# Altium PCB TwoFoot_PCB_m4T1Top2.PcbDoc (part 8 of 9) (continued)
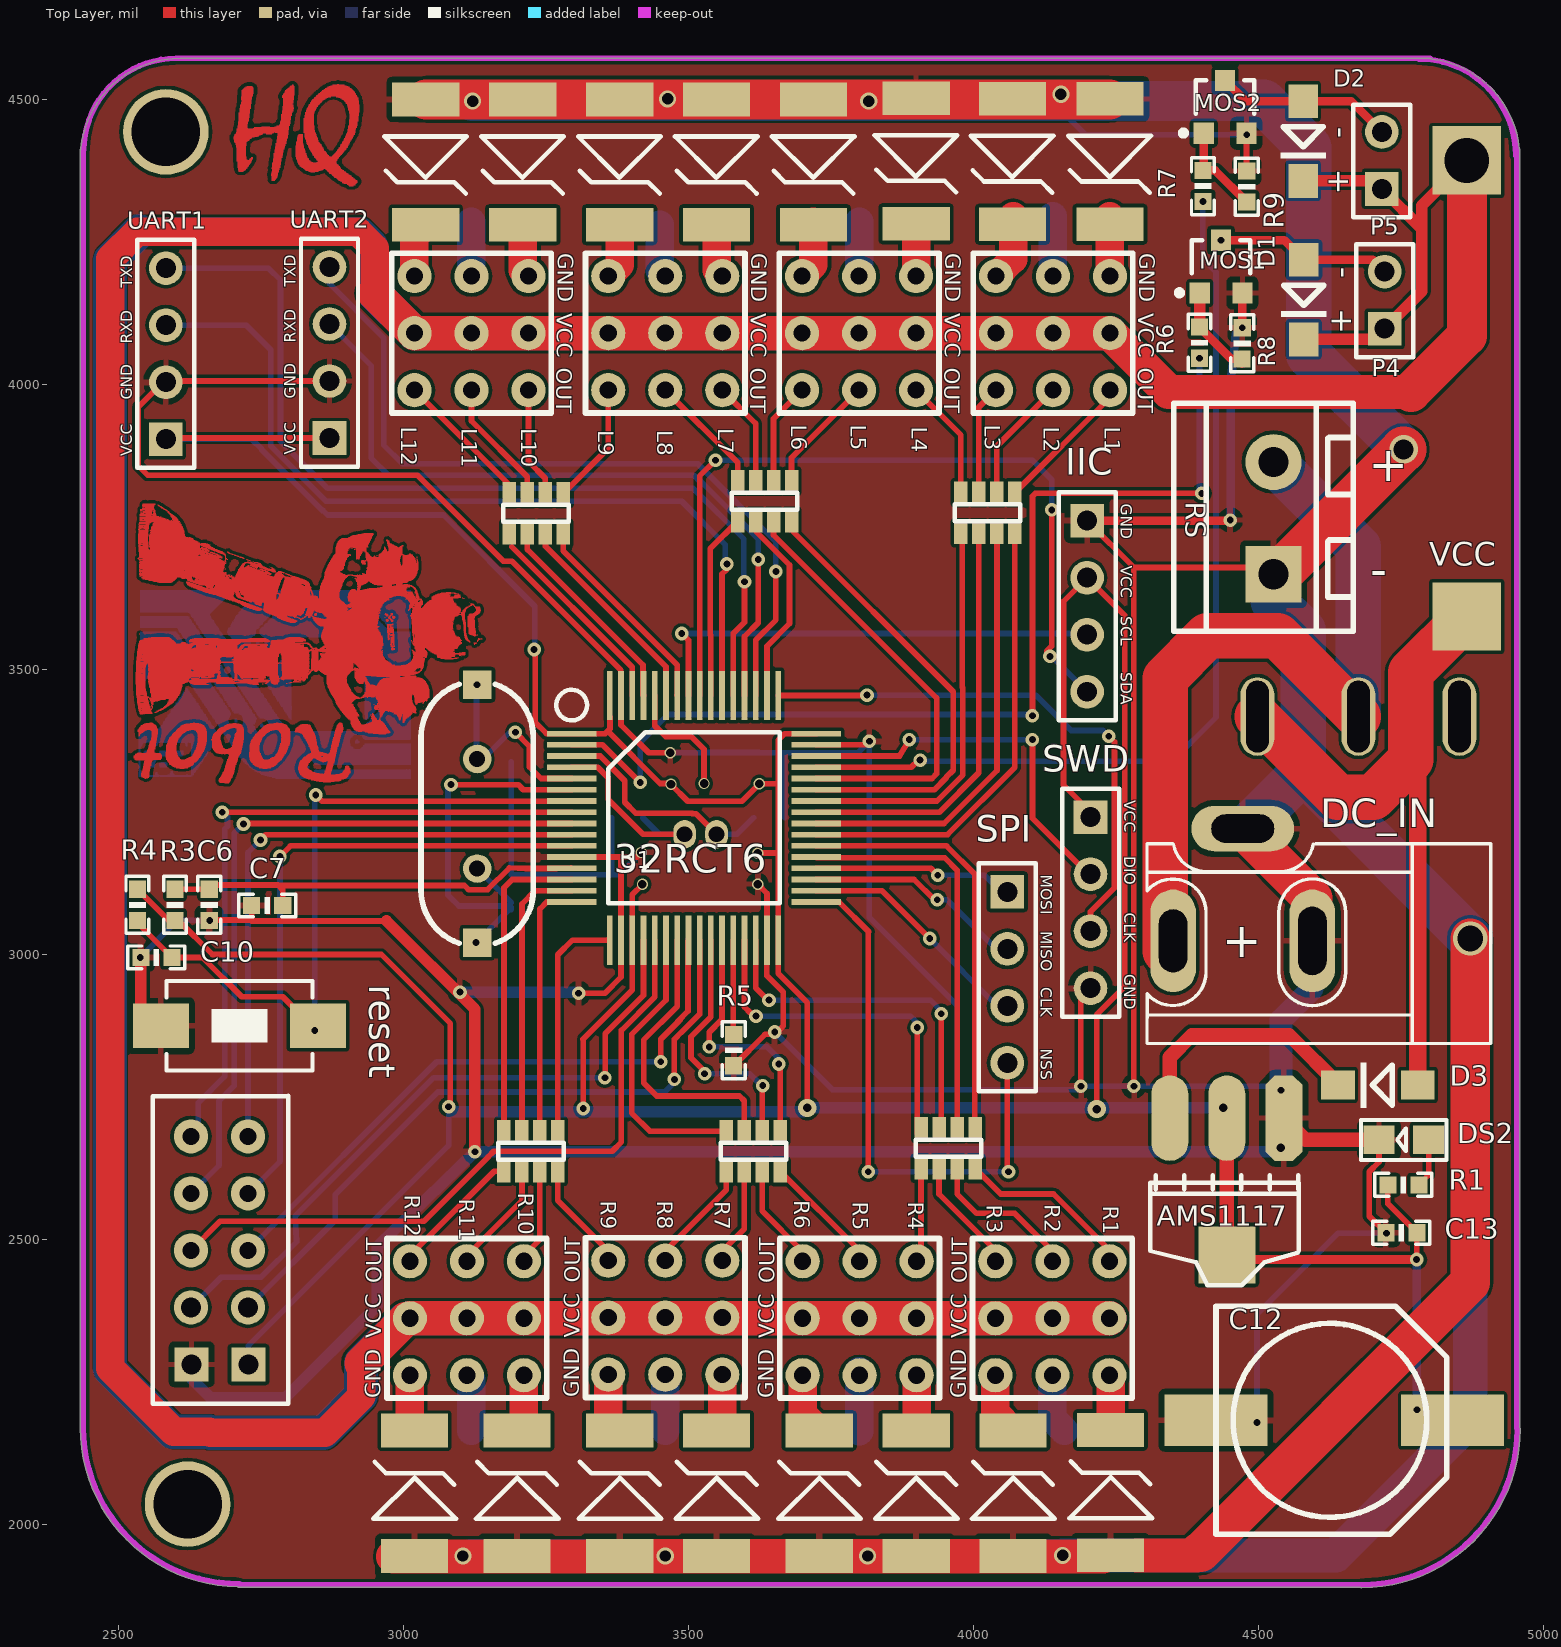
[diagram p0: Top Layer view]
## Nets (pads, with @x,y where several pads share a name; then routed paths per layer and width w, separated by ;. In a path a pad name is that pad's centre, name@x,y a point inside that pad or via, vN(x,y) a via of type N, cw(c..) or ccw(c..) an arc to the next point about the centre after c; other vN are vias at no path point) (continued)
2678.6,3567.4 ; 2647.6,3444.4 2683.6,3444.4 ; 2647.6,3506.4 2682.6,3506.4 ; 2647.6,3507.4 2681.6,3507.4 ; 2647.6,3565.4 2680.6,3565.4 ; 2647.6,3566.4 2680.6,3566.4 ; 2648.6,3441.4 2686.6,3441.4 ; 2648.6,3442.4 2684.6,3442.4 ; 2648.6,3443.4 2684.6,3443.4 ; 2648.6,3505.4 2682.6,3505.4 ; 2648.6,3563.4 2681.6,3563.4 ; 2648.6,3564.4 2681.6,3564.4 ; 2650.6,3440.4 2687.6,3440.4 ; 2650.6,3503.4 2683.6,3503.4 ; 2650.6,3504.4 2682.6,3504.4 ; 2650.6,3561.4 2683.6,3561.4 ; 2650.6,3562.4 2682.6,3562.4 ; 2651.6,3438.4 2687.6,3438.4 ; 2651.6,3439.4 2687.6,3439.4 ; 2651.6,3501.4 2684.6,3501.4 ; 2651.6,3502.4 2684.6,3502.4 ; 2651.6,3560.4 2683.6,3560.4 ; 2652.6,3437.4 2688.6,3437.4 ; 2652.6,3500.4 2686.6,3500.4 ; 2652.6,3558.4 2684.6,3558.4 ; 2652.6,3559.4 2684.6,3559.4 ; 2653.6,3434.4 2690.6,3434.4 ; 2653.6,3435.4 2690.6,3435.4 ; 2653.6,3436.4 2689.6,3436.4 ; 2653.6,3498.4 2687.6,3498.4 ; 2653.6,3499.4 2686.6,3499.4 ; 2653.6,3557.4 2686.6,3557.4 ; 2654.6,3433.4 2691.6,3433.4 ; 2654.6,3495.4 2689.6,3495.4 ; 2654.6,3496.4 2688.6,3496.4 ; 2654.6,3497.4 2687.6,3497.4 ; 2654.6,3554.4 2688.6,3554.4 ; 2654.6,3555.4 2687.6,3555.4 ; 2654.6,3556.4 2687.6,3556.4 ; 2656.6,3431.4 2693.6,3431.4 ; 2656.6,3432.4 2691.6,3432.4 ; 2656.6,3494.4 2689.6,3494.4 ; 2656.6,3553.4 2689.6,3553.4 ; 2657.6,3430.4 2693.6,3430.4 ; 2657.6,3492.4 2690.6,3492.4 ; 2657.6,3493.4 2690.6,3493.4 ; 2657.6,3551.4 2689.6,3551.4 ; 2657.6,3552.4 2689.6,3552.4 ; 2658.6,3427.4 2695.6,3427.4 ; 2658.6,3428.4 2694.6,3428.4 ; 2658.6,3429.4 2694.6,3429.4 ; 2658.6,3491.4 2691.6,3491.4 ; 2658.6,3550.4 2690.6,3550.4 ; 2659.6,3426.4 2695.6,3426.4 ; 2659.6,3488.4 2693.6,3488.4 ; 2659.6,3489.4 2693.6,3489.4 ; 2659.6,3490.4 2691.6,3490.4 ; 2659.6,3547.4 2693.6,3547.4 ; 2659.6,3548.4 2691.6,3548.4 ; 2659.6,3549.4 2691.6,3549.4 ; 2660.6,3424.4 2696.6,3424.4 ; 2660.6,3425.4 2696.6,3425.4 ; 2660.6,3487.4 2694.6,3487.4 ; 2660.6,3546.4 2694.6,3546.4 ; 2661.6,3422.4 2697.6,3422.4 ; 2661.6,3423.4 2697.6,3423.4 ; 2661.6,3485.4 2695.6,3485.4 ; 2661.6,3486.4 2695.6,3486.4 ; 2661.6,3544.4 2694.6,3544.4 ; 2661.6,3545.4 2694.6,3545.4 ; 2663.6,3420.4 2697.6,3420.4 ; 2663.6,3421.4 2697.6,3421.4 ; 2663.6,3484.4 2696.6,3484.4 ; 2663.6,3543.4 2695.6,3543.4 ; 2664.6,3419.4 2696.6,3419.4 ; 2664.6,3481.4 2697.6,3481.4 ; 2664.6,3482.4 2697.6,3482.4 ; 2664.6,3483.4 2696.6,3483.4 ; 2664.6,3540.4 2697.6,3540.4 ; 2664.6,3541.4 2696.6,3541.4 ; 2664.6,3542.4 2696.6,3542.4 ; 2665.6,3417.4 2695.6,3417.4 ; 2665.6,3418.4 2695.6,3418.4 ; 2665.6,3480.4 2699.6,3480.4 ; 2665.6,3539.4 2699.6,3539.4 ; 2666.6,3415.4 2694.6,3415.4 ; 2666.6,3416.4 2694.6,3416.4 ; 2666.6,3479.4 2699.6,3479.4 ; 2666.6,3537.4 2699.6,3537.4 ; 2666.6,3538.4 2699.6,3538.4 ; 2667.6,3413.4 2694.6,3413.4 ; 2667.6,3414.4 2694.6,3414.4 ; 2667.6,3477.4 2700.6,3477.4 ; 2667.6,3478.4 2700.6,3478.4 ; 2667.6,3536.4 2700.6,3536.4 ; 2669.6,3412.4 2693.6,3412.4 ; 2669.6,3474.4 2702.6,3474.4 ; 2669.6,3475.4 2702.6,3475.4 ; 2669.6,3476.4 2701.6,3476.4 ; 2669.6,3533.4 2702.6,3533.4 ; 2669.6,3534.4 2701.6,3534.4 ; 2669.6,3535.4 2701.6,3535.4 ; 2670.6,3409.4 2693.6,3409.4 ; 2670.6,3410.4 2693.6,3410.4 ; 2670.6,3411.4 2693.6,3411.4 ; 2670.6,3473.4 2703.6,3473.4 ; 2670.6,3531.4 2703.6,3531.4 ; 2670.6,3532.4 2702.6,3532.4 ; 2671.6,3408.4 2694.6,3408.4 ; 2671.6,3472.4 2703.6,3472.4 ; 2671.6,3530.4 2703.6,3530.4 ; 2672.6,3406.4 2694.6,3406.4 ; 2672.6,3407.4 2694.6,3407.4 ; 2672.6,3470.4 2706.6,3470.4 ; 2672.6,3471.4 2704.6,3471.4 ; 2672.6,3527.4 2706.6,3527.4 ; 2672.6,3528.4 2706.6,3528.4 ; 2672.6,3529.4 2704.6,3529.4 ; 2673.6,3405.4 2694.6,3405.4 ; 2673.6,3467.4 2708.6,3467.4 ; 2673.6,3468.4 2707.6,3468.4 ; 2673.6,3469.4 2706.6,3469.4 ; 2673.6,3526.4 2707.6,3526.4 ; 2674.6,3402.4 2696.6,3402.4 ; 2674.6,3403.4 2695.6,3403.4 ; 2674.6,3404.4 2695.6,3404.4 ; 2674.6,3466.4 2708.6,3466.4 ; 2674.6,3525.4 2707.6,3525.4 ; 2676.6,3401.4 2697.6,3401.4 ; 2676.6,3465.4 2708.6,3465.4 ; 2676.6,3523.4 2708.6,3523.4 ; 2676.6,3524.4 2708.6,3524.4 ; 2677.6,3399.4 2699.6,3399.4 ; 2677.6,3400.4 2699.6,3400.4 ; 2677.6,3462.4 2710.6,3462.4 ; 2677.6,3463.4 2710.6,3463.4 ; 2677.6,3464.4 2709.6,3464.4 ; 2677.6,3521.4 2710.6,3521.4 ; 2677.6,3522.4 2709.6,3522.4 ; 2678.6,3398.4 2700.6,3398.4 ; 2678.6,3461.4 2711.6,3461.4 ; 2678.6,3519.4 2711.6,3519.4 ; 2678.6,3520.4 2710.6,3520.4 ; 2679.6,3395.4 2740.6,3395.4 ; 2679.6,3396.4 2739.6,3396.4 ; 2679.6,3397.4 2703.6,3397.4 ; 2679.6,3459.4 2713.6,3459.4 ; 2679.6,3460.4 2713.6,3460.4 ; 2679.6,3518.4 2711.6,3518.4 ; 2680.6,3394.4 2741.6,3394.4 ; 2680.6,3458.4 2713.6,3458.4 ; 2680.6,3515.4 2714.6,3515.4 ; 2680.6,3516.4 2713.6,3516.4 ; 2680.6,3517.4 2713.6,3517.4 ; 2682.6,3392.4 2742.6,3392.4 ; 2682.6,3393.4 2742.6,3393.4 ; 2682.6,3455.4 2715.6,3455.4 ; 2682.6,3456.4 2715.6,3456.4 ; 2682.6,3457.4 2714.6,3457.4 ; 2682.6,3513.4 2715.6,3513.4 ; 2682.6,3514.4 2715.6,3514.4 ; 2683.6,3391.4 2743.6,3391.4 ; 2683.6,3454.4 2716.6,3454.4 ; 2683.6,3512.4 2715.6,3512.4 ; 2684.6,3388.4 3013.6,3388.4 ; 2684.6,3389.4 2747.6,3389.4 ; 2684.6,3390.4 2745.6,3390.4 ; 2684.6,3452.4 2717.6,3452.4 ; 2684.6,3453.4 2717.6,3453.4 ; 2684.6,3511.4 2716.6,3511.4 ; 2685.6,3387.4 3013.6,3387.4 ; 2685.6,3450.4 2719.6,3450.4 ; 2685.6,3451.4 2717.6,3451.4 ; 2685.6,3508.4 2719.6,3508.4 ; 2685.6,3509.4 2717.6,3509.4 ; 2685.6,3510.4 2717.6,3510.4 ; 2686.6,3385.4 2913.6,3385.4 ; 2686.6,3386.4 2917.6,3386.4 ; 2686.6,3448.4 2720.6,3448.4 ; 2686.6,3449.4 2720.6,3449.4 ; 2686.6,3507.4 2720.6,3507.4 ; 2687.6,3384.4 2912.6,3384.4 ; 2687.6,3446.4 2722.6,3446.4 ; 2687.6,3447.4 2721.6,3447.4 ; 2687.6,3505.4 2720.6,3505.4 ; 2687.6,3506.4 2720.6,3506.4 ; 2689.6,3381.4 2908.6,3381.4 ; 2689.6,3382.4 2910.6,3382.4 ; 2689.6,3383.4 2910.6,3383.4 ; 2689.6,3445.4 2722.6,3445.4 ; 2689.6,3504.4 2721.6,3504.4 ; 2690.6,3380.4 2908.6,3380.4 ; 2690.6,3442.4 2724.6,3442.4 ; 2690.6,3443.4 2723.6,3443.4 ; 2690.6,3444.4 2722.6,3444.4 ; 2690.6,3501.4 2723.6,3501.4 ; 2690.6,3502.4 2722.6,3502.4 ; 2690.6,3503.4 2722.6,3503.4 ; 2691.6,3378.4 2907.6,3378.4 ; 2691.6,3379.4 2907.6,3379.4 ; 2691.6,3441.4 2724.6,3441.4 ; 2691.6,3499.4 2724.6,3499.4 ; 2691.6,3500.4 2724.6,3500.4 ; 2691.6,3565.4 2741.6,3565.4 ; 2691.6,3566.4 2741.6,3566.4 ; 2691.6,3567.4 2741.6,3567.4 ; 2692.6,3377.4 2906.6,3377.4 ; 2692.6,3439.4 2726.6,3439.4 ; 2692.6,3440.4 2726.6,3440.4 ; 2692.6,3498.4 2726.6,3498.4 ; 2692.6,3564.4 2741.6,3564.4 ; 2692.6,3568.4 2741.6,3568.4 ; 2692.6,3569.4 2741.6,3569.4 ; 2693.6,3374.4 2906.6,3374.4 ; 2693.6,3375.4 2906.6,3375.4 ; 2693.6,3376.4 2906.6,3376.4 ; 2693.6,3438.4 2727.6,3438.4 ; 2693.6,3497.4 2726.6,3497.4 ; 2693.6,3561.4 2740.6,3561.4 ; 2693.6,3562.4 2740.6,3562.4 ; 2693.6,3563.4 2741.6,3563.4 ; 2693.6,3570.4 2742.6,3570.4 ; 2693.6,3571.4 2743.6,3571.4 ; 2693.6,3572.4 2745.6,3572.4 ; 2694.6,3373.4 2906.6,3373.4 ; 2694.6,3435.4 2729.6,3435.4 ; 2694.6,3436.4 2728.6,3436.4 ; 2694.6,3437.4 2727.6,3437.4 ; 2694.6,3494.4 2728.6,3494.4 ; 2694.6,3495.4 2727.6,3495.4 ; 2694.6,3496.4 2727.6,3496.4 ; 2694.6,3560.4 2739.6,3560.4 ; 2694.6,3573.4 2746.6,3573.4 ; 2696.6,3371.4 2906.6,3371.4 ; 2696.6,3372.4 2906.6,3372.4 ; 2696.6,3434.4 2729.6,3434.4 ; 2696.6,3493.4 2729.6,3493.4 ; 2696.6,3559.4 2736.6,3559.4 ; 2696.6,3574.4 2747.6,3574.4 ; 2696.6,3575.4 2747.6,3575.4 ; 2697.6,3369.4 2907.6,3369.4 ; 2697.6,3370.4 2906.6,3370.4 ; 2697.6,3433.4 2730.6,3433.4 ; 2697.6,3491.4 2729.6,3491.4 ; 2697.6,3492.4 2729.6,3492.4 ; 2697.6,3557.4 2734.6,3557.4 ; 2697.6,3558.4 2735.6,3558.4 ; 2697.6,3576.4 2748.6,3576.4 ; 2697.6,3577.4 2749.6,3577.4 ; 2698.6,3367.4 2907.6,3367.4 ; 2698.6,3368.4 2907.6,3368.4 ; 2698.6,3431.4 2732.6,3431.4 ; 2698.6,3432.4 2730.6,3432.4 ; 2698.6,3490.4 2730.6,3490.4 ; 2698.6,3556.4 2733.6,3556.4 ; 2698.6,3578.4 2749.6,3578.4 ; 2698.6,3579.4 2752.6,3579.4 ; 2699.6,3366.4 2907.6,3366.4 ; 2699.6,3430.4 2732.6,3430.4 ; 2699.6,3487.4 2733.6,3487.4 ; 2699.6,3488.4 2732.6,3488.4 ; 2699.6,3489.4 2732.6,3489.4 ; 2699.6,3553.4 2732.6,3553.4 ; 2699.6,3554.4 2733.6,3554.4 ; 2699.6,3555.4 2733.6,3555.4 ; 2699.6,3580.4 2752.6,3580.4 ; 2699.6,3581.4 2753.6,3581.4 ; 2700.6,3364.4 2910.6,3364.4 ; 2700.6,3365.4 2908.6,3365.4 ; 2700.6,3427.4 2734.6,3427.4 ; 2700.6,3428.4 2734.6,3428.4 ; 2700.6,3429.4 2733.6,3429.4 ; 2700.6,3486.4 2734.6,3486.4 ; 2700.6,3551.4 2732.6,3551.4 ; 2700.6,3552.4 2732.6,3552.4 ; 2700.6,3582.4 2753.6,3582.4 ; 2700.6,3583.4 2754.6,3583.4 ; 2702.6,3362.4 2912.6,3362.4 ; 2702.6,3363.4 2911.6,3363.4 ; 2702.6,3425.4 2735.6,3425.4 ; 2702.6,3426.4 2734.6,3426.4 ; 2702.6,3484.4 2734.6,3484.4 ; 2702.6,3485.4 2734.6,3485.4 ; 2702.6,3550.4 2732.6,3550.4 ; 2702.6,3584.4 2755.6,3584.4 ; 2702.6,3585.4 2756.6,3585.4 ; 2702.6,3586.4 2757.6,3586.4 ; 2703.6,3360.4 3013.6,3360.4 ; 2703.6,3361.4 2914.6,3361.4 ; 2703.6,3424.4 2736.6,3424.4 ; 2703.6,3483.4 2735.6,3483.4 ; 2703.6,3548.4 2732.6,3548.4 ; 2703.6,3549.4 2732.6,3549.4 ; 2703.6,3587.4 2759.6,3587.4 ; 2703.6,3588.4 2759.6,3588.4 ; 2704.6,3358.4 3013.6,3358.4 ; 2704.6,3359.4 3013.6,3359.4 ; 2704.6,3408.4 2709.6,3408.4 ; 2704.6,3409.4 2709.6,3409.4 ; 2704.6,3410.4 2709.6,3410.4 ; 2704.6,3411.4 2709.6,3411.4 ; 2704.6,3412.4 2708.6,3412.4 ; 2704.6,3413.4 2708.6,3413.4 ; 2704.6,3480.4 2737.6,3480.4 ; 2704.6,3481.4 2736.6,3481.4 ; 2704.6,3482.4 2736.6,3482.4 ; 2704.6,3546.4 2732.6,3546.4 ; 2704.6,3547.4 2732.6,3547.4 ; 2704.6,3589.4 2760.6,3589.4 ; 2705.6,3356.4 3013.6,3356.4 ; 2705.6,3357.4 3013.6,3357.4 ; 2705.6,3479.4 2737.6,3479.4 ; 2705.6,3544.4 2732.6,3544.4 ; 2705.6,3545.4 2732.6,3545.4 ; 2705.6,3590.4 2761.6,3590.4 ; 2705.6,3591.4 2762.6,3591.4 ; 2705.6,3592.4 2763.6,3592.4 ; 2706.6,3354.4 3013.6,3354.4 ; 2706.6,3355.4 3013.6,3355.4 ; 2706.6,3477.4 2739.6,3477.4 ; 2706.6,3478.4 2739.6,3478.4 ; 2706.6,3543.4 2733.6,3543.4 ; 2706.6,3593.4 2765.6,3593.4 ; 2707.6,3353.4 3013.6,3353.4 ; 2707.6,3475.4 2741.6,3475.4 ; 2707.6,3476.4 2740.6,3476.4 ; 2707.6,3541.4 2734.6,3541.4 ; 2707.6,3542.4 2733.6,3542.4 ; 2707.6,3594.4 2766.6,3594.4 ; 2707.6,3595.4 2766.6,3595.4 ; 2709.6,3352.4 3013.6,3352.4 ; 2709.6,3473.4 2742.6,3473.4 ; 2709.6,3474.4 2741.6,3474.4 ; 2709.6,3539.4 2736.6,3539.4 ; 2709.6,3540.4 2735.6,3540.4 ; 2709.6,3596.4 2767.6,3596.4 ; 2710.6,3349.4 3013.6,3349.4 ; 2710.6,3350.4 3013.6,3350.4 ; 2710.6,3351.4 3013.6,3351.4 ; 2710.6,3397.4 2739.6,3397.4 ; 2710.6,3471.4 2743.6,3471.4 ; 2710.6,3472.4 2742.6,3472.4 ; 2710.6,3537.4 2737.6,3537.4 ; 2710.6,3538.4 2736.6,3538.4 ; 2710.6,3597.4 2768.6,3597.4 ; 2711.6,3348.4 3013.6,3348.4 ; 2711.6,3422.4 2737.6,3422.4 ; 2711.6,3423.4 2736.6,3423.4 ; 2711.6,3470.4 2743.6,3470.4 ; 2711.6,3536.4 2740.6,3536.4 ; 2711.6,3598.4 2769.6,3598.4 ; 2711.6,3599.4 2770.6,3599.4 ; 2711.6,3600.4 2772.6,3600.4 ; 2712.6,3347.4 3013.6,3347.4 ; 2712.6,3398.4 2739.6,3398.4 ; 2712.6,3468.4 2746.6,3468.4 ; 2712.6,3469.4 2745.6,3469.4 ; 2712.6,3533.4 2781.6,3533.4 ; 2712.6,3534.4 2781.6,3534.4 ; 2712.6,3535.4 2781.6,3535.4 ; 2712.6,3601.4 2773.6,3601.4 ; 2713.6,3346.4 3013.6,3346.4 ; 2713.6,3421.4 2739.6,3421.4 ; 2713.6,3466.4 2747.6,3466.4 ; 2713.6,3467.4 2746.6,3467.4 ; 2713.6,3532.4 2780.6,3532.4 ; 2713.6,3602.4 2773.6,3602.4 ; 2715.6,3345.4 3013.6,3345.4 ; 2715.6,3399.4 2739.6,3399.4 ; 2715.6,3400.4 2739.6,3400.4 ; 2715.6,3465.4 2747.6,3465.4 ; 2715.6,3530.4 2779.6,3530.4 ; 2715.6,3531.4 2779.6,3531.4 ; 2715.6,3603.4 2773.6,3603.4 ; 2716.6,3342.4 3013.6,3342.4 ; 2716.6,3343.4 3013.6,3343.4 ; 2716.6,3344.4 3013.6,3344.4 ; 2716.6,3401.4 2737.6,3401.4 ; 2716.6,3420.4 2739.6,3420.4 ; 2716.6,3462.4 2749.6,3462.4 ; 2716.6,3463.4 2748.6,3463.4 ; 2716.6,3464.4 2748.6,3464.4 ; 2716.6,3528.4 2778.6,3528.4 ; 2716.6,3529.4 2778.6,3529.4 ; 2716.6,3604.4 2773.6,3604.4 ; 2716.6,3605.4 2773.6,3605.4 ; 2716.6,3606.4 2773.6,3606.4 ; 2717.6,3341.4 2829.6,3341.4 ; 2717.6,3402.4 2737.6,3402.4 ; 2717.6,3403.4 2737.6,3403.4 ; 2717.6,3418.4 2740.6,3418.4 ; 2717.6,3419.4 2739.6,3419.4 ; 2717.6,3461.4 2750.6,3461.4 ; 2717.6,3526.4 2776.6,3526.4 ; 2717.6,3527.4 2778.6,3527.4 ; 2717.6,3607.4 2773.6,3607.4 ; 2718.6,3340.4 2826.6,3340.4 ; 2718.6,3404.4 2739.6,3404.4 ; 2718.6,3415.4 2742.6,3415.4 ; 2718.6,3416.4 2741.6,3416.4 ; 2718.6,3417.4 2741.6,3417.4 ; 2718.6,3459.4 2750.6,3459.4 ; 2718.6,3460.4 2750.6,3460.4 ; 2718.6,3525.4 2775.6,3525.4 ; 2718.6,3608.4 2773.6,3608.4 ; 2719.6,3339.4 2825.6,3339.4 ; 2719.6,3405.4 2739.6,3405.4 ; 2719.6,3406.4 2739.6,3406.4 ; 2719.6,3407.4 2740.6,3407.4 ; 2719.6,3408.4 2740.6,3408.4 ; 2719.6,3409.4 2741.6,3409.4 ; 2719.6,3410.4 2741.6,3410.4 ; 2719.6,3411.4 2741.6,3411.4 ; 2719.6,3412.4 2742.6,3412.4 ; 2719.6,3413.4 2743.6,3413.4 ; 2719.6,3414.4 2743.6,3414.4 ; 2719.6,3458.4 2752.6,3458.4 ; 2719.6,3524.4 2774.6,3524.4 ; 2719.6,3609.4 2773.6,3609.4 ; 2720.6,3338.4 2824.6,3338.4 ; 2720.6,3455.4 2754.6,3455.4 ; 2720.6,3456.4 2753.6,3456.4 ; 2720.6,3457.4 2753.6,3457.4 ; 2720.6,3521.4 2773.6,3521.4 ; 2720.6,3522.4 2773.6,3522.4 ; 2720.6,3523.4 2774.6,3523.4 ; 2720.6,3610.4 2773.6,3610.4 ; 2722.6,3336.4 2822.6,3336.4 ; 2722.6,3337.4 2822.6,3337.4 ; 2722.6,3454.4 2755.6,3454.4 ; 2722.6,3520.4 2772.6,3520.4 ; 2722.6,3611.4 2773.6,3611.4 ; 2722.6,3612.4 2773.6,3612.4 ; 2723.6,3335.4 2821.6,3335.4 ; 2723.6,3452.4 2755.6,3452.4 ; 2723.6,3453.4 2755.6,3453.4 ; 2723.6,3518.4 2770.6,3518.4 ; 2723.6,3519.4 2772.6,3519.4 ; 2723.6,3613.4 2773.6,3613.4 ; 2724.6,3334.4 2821.6,3334.4 ; 2724.6,3451.4 2756.6,3451.4 ; 2724.6,3517.4 2769.6,3517.4 ; 2725.6,3448.4 2759.6,3448.4 ; 2725.6,3449.4 2759.6,3449.4 ; 2725.6,3450.4 2757.6,3450.4 ; 2725.6,3514.4 2768.6,3514.4 ; 2725.6,3515.4 2769.6,3515.4 ; 2725.6,3516.4 2769.6,3516.4 ; 2725.6,3614.4 2773.6,3614.4 ; 2726.6,3333.4 2820.6,3333.4 ; 2726.6,3447.4 2760.6,3447.4 ; 2726.6,3512.4 2767.6,3512.4 ; 2726.6,3513.4 2768.6,3513.4 ; 2726.6,3615.4 2773.6,3615.4 ; 2728.6,3332.4 2820.6,3332.4 ; 2728.6,3445.4 2760.6,3445.4 ; 2728.6,3446.4 2760.6,3446.4 ; 2728.6,3511.4 2766.6,3511.4 ; 2728.6,3616.4 2773.6,3616.4 ; 2729.6,3331.4 2820.6,3331.4 ; 2729.6,3444.4 2761.6,3444.4 ; 2729.6,3508.4 2765.6,3508.4 ; 2729.6,3509.4 2765.6,3509.4 ; 2729.6,3510.4 2765.6,3510.4 ; 2729.6,3617.4 2773.6,3617.4 ; 2730.6,3329.4 2820.6,3329.4 ; 2730.6,3330.4 2820.6,3330.4 ; 2730.6,3441.4 2763.6,3441.4 ; 2730.6,3442.4 2762.6,3442.4 ; 2730.6,3443.4 2761.6,3443.4 ; 2730.6,3507.4 2763.6,3507.4 ; 2730.6,3618.4 2773.6,3618.4 ; 2730.6,3619.4 2773.6,3619.4 ; 2731.6,3328.4 2820.6,3328.4 ; 2731.6,3440.4 2765.6,3440.4 ; 2731.6,3505.4 2762.6,3505.4 ; 2731.6,3506.4 2763.6,3506.4 ; 2732.6,3438.4 2765.6,3438.4 ; 2732.6,3439.4 2765.6,3439.4 ; 2732.6,3504.4 2761.6,3504.4 ; 2732.6,3620.4 2773.6,3620.4 ; 2733.6,3327.4 2820.6,3327.4 ; 2733.6,3437.4 2766.6,3437.4 ; 2733.6,3501.4 2760.6,3501.4 ; 2733.6,3502.4 2760.6,3502.4 ; 2733.6,3503.4 2760.6,3503.4 ; 2733.6,3621.4 2773.6,3621.4 ; 2735.6,3326.4 2820.6,3326.4 ; 2735.6,3434.4 2768.6,3434.4 ; 2735.6,3435.4 2767.6,3435.4 ; 2735.6,3436.4 2767.6,3436.4 ; 2735.6,3500.4 2759.6,3500.4 ; 2735.6,3622.4 2773.6,3622.4 ; 2736.6,3325.4 2820.6,3325.4 ; 2736.6,3433.4 2769.6,3433.4 ; 2736.6,3498.4 2757.6,3498.4 ; 2736.6,3499.4 2759.6,3499.4 ; 2737.6,3431.4 2769.6,3431.4 ; 2737.6,3432.4 2769.6,3432.4 ; 2737.6,3497.4 2756.6,3497.4 ; 2737.6,3623.4 2773.6,3623.4 ; 2738.6,3324.4 2820.6,3324.4 ; 2738.6,3430.4 2770.6,3430.4 ; 2738.6,3495.4 2756.6,3495.4 ; 2738.6,3496.4 2756.6,3496.4 ; 2738.6,3624.4 2773.6,3624.4 ; 2738.6,3625.4 2773.6,3625.4 ; 2739.6,3322.4 2821.6,3322.4 ; 2739.6,3323.4 2820.6,3323.4 ; 2739.6,3427.4 2773.6,3427.4 ; 2739.6,3428.4 2772.6,3428.4 ; 2739.6,3429.4 2772.6,3429.4 ; 2739.6,3493.4 2754.6,3493.4 ; 2739.6,3494.4 2755.6,3494.4 ; 2740.6,3426.4 2773.6,3426.4 ; 2740.6,3491.4 2753.6,3491.4 ; 2740.6,3492.4 2754.6,3492.4 ; 2740.6,3626.4 2773.6,3626.4 ; 2742.6,3321.4 2821.6,3321.4 ; 2742.6,3424.4 2774.6,3424.4 ; 2742.6,3425.4 2774.6,3425.4 ; 2742.6,3490.4 2752.6,3490.4 ; 2742.6,3546.4 2747.6,3546.4 ; 2742.6,3547.4 2747.6,3547.4 ; 2742.6,3548.4 2747.6,3548.4 ; 2742.6,3549.4 2747.6,3549.4 ; 2742.6,3550.4 2747.6,3550.4 ; 2742.6,3627.4 2773.6,3627.4 ; 2743.6,3422.4 2776.6,3422.4 ; 2743.6,3423.4 2775.6,3423.4 ; 2743.6,3487.4 2750.6,3487.4 ; 2743.6,3488.4 2750.6,3488.4 ; 2743.6,3489.4 2750.6,3489.4 ; 2743.6,3551.4 2746.6,3551.4 ; 2744.6,3320.4 2821.6,3320.4 ; 2744.6,3420.4 2778.6,3420.4 ; 2744.6,3421.4 2778.6,3421.4 ; 2744.6,3486.4 2749.6,3486.4 ; 2744.6,3628.4 2773.6,3628.4 ; 2745.6,3419.4 2778.6,3419.4 ; 2745.6,3484.4 2748.6,3484.4 ; 2745.6,3485.4 2749.6,3485.4 ; 2746.6,3319.4 2822.6,3319.4 ; 2746.6,3417.4 2779.6,3417.4 ; 2746.6,3418.4 2779.6,3418.4 ; 2746.6,3629.4 2773.6,3629.4 ; 2748.6,3415.4 2781.6,3415.4 ; 2748.6,3416.4 2780.6,3416.4 ; 2748.6,3563.4 3013.6,3563.4 ; 2748.6,3564.4 3013.6,3564.4 ; 2748.6,3565.4 3013.6,3565.4 ; 2748.6,3566.4 3013.6,3566.4 ; 2748.6,3567.4 2976.6,3567.4 ; 2748.6,3568.4 2974.6,3568.4 ; 2748.6,3569.4 2973.6,3569.4 ; 2749.6,3318.4 2824.6,3318.4 ; 2749.6,3400.4 2754.6,3400.4 ; 2749.6,3401.4 2754.6,3401.4 ; 2749.6,3402.4 2754.6,3402.4 ; 2749.6,3403.4 2754.6,3403.4 ; 2749.6,3536.4 2782.6,3536.4 ; 2749.6,3561.4 3013.6,3561.4 ; 2749.6,3562.4 3013.6,3562.4 ; 2749.6,3570.4 2972.6,3570.4 ; 2749.6,3630.4 2773.6,3630.4 ; 2750.6,3399.4 2753.6,3399.4 ; 2750.6,3404.4 2753.6,3404.4 ; 2750.6,3571.4 2971.6,3571.4 ; 2750.6,3572.4 2971.6,3572.4 ; 2751.6,3316.4 2827.6,3316.4 ; 2751.6,3317.4 2825.6,3317.4 ; 2751.6,3537.4 2783.6,3537.4 ; 2751.6,3560.4 3013.6,3560.4 ; 2751.6,3573.4 2970.6,3573.4 ; 2751.6,3631.4 2773.6,3631.4 ; 2751.6,3632.4 2773.6,3632.4 ; 2752.6,3559.4 3013.6,3559.4 ; 2752.6,3574.4 2969.6,3574.4 ; 2753.6,3538.4 2783.6,3538.4 ; 2753.6,3539.4 2785.6,3539.4 ; 2753.6,3558.4 3013.6,3558.4 ; 2753.6,3575.4 2967.6,3575.4 ; 2753.6,3633.4 2773.6,3633.4 ; 2755.6,3315.4 3013.6,3315.4 ; 2755.6,3414.4 2782.6,3414.4 ; 2755.6,3540.4 2786.6,3540.4 ; 2755.6,3541.4 2786.6,3541.4 ; 2755.6,3557.4 3013.6,3557.4 ; 2755.6,3576.4 2966.6,3576.4 ; 2756.6,3389.4 3013.6,3389.4 ; 2756.6,3542.4 2786.6,3542.4 ; 2756.6,3554.4 2795.6,3554.4 ; 2756.6,3555.4 2795.6,3555.4 ; 2756.6,3556.4 2796.6,3556.4 ; 2756.6,3577.4 2965.6,3577.4 ; 2757.6,3314.4 3013.6,3314.4 ; 2757.6,3543.4 2787.6,3543.4 ; 2757.6,3544.4 2788.6,3544.4 ; 2757.6,3545.4 2788.6,3545.4 ; 2757.6,3546.4 2789.6,3546.4 ; 2757.6,3547.4 2791.6,3547.4 ; 2757.6,3550.4 2792.6,3550.4 ; 2757.6,3551.4 2793.6,3551.4 ; 2757.6,3552.4 2793.6,3552.4 ; 2757.6,3553.4 2794.6,3553.4 ; 2757.6,3578.4 2964.6,3578.4 ; 2757.6,3579.4 2964.6,3579.4 ; 2757.6,3634.4 2773.6,3634.4 ; 2758.6,3390.4 3013.6,3390.4 ; 2758.6,3413.4 2782.6,3413.4 ; 2758.6,3548.4 2791.6,3548.4 ; 2758.6,3549.4 2791.6,3549.4 ; 2758.6,3580.4 2963.6,3580.4 ; 2759.6,3391.4 3013.6,3391.4 ; 2759.6,3412.4 2782.6,3412.4 ; 2759.6,3475.4 2803.6,3475.4 ; 2759.6,3476.4 2803.6,3476.4 ; 2759.6,3477.4 2803.6,3477.4 ; 2759.6,3581.4 2961.6,3581.4 ; 2761.6,3313.4 3013.6,3313.4 ; 2761.6,3392.4 2796.6,3392.4 ; 2761.6,3393.4 2796.6,3393.4 ; 2761.6,3411.4 2783.6,3411.4 ; 2761.6,3474.4 2803.6,3474.4 ; 2761.6,3478.4 2803.6,3478.4 ; 2761.6,3479.4 2803.6,3479.4 ; 2761.6,3480.4 2803.6,3480.4 ; 2761.6,3582.4 2960.6,3582.4 ; 2761.6,3635.4 2773.6,3635.4 ; 2762.6,3394.4 2795.6,3394.4 ; 2762.6,3409.4 2785.6,3409.4 ; 2762.6,3410.4 2783.6,3410.4 ; 2762.6,3472.4 2803.6,3472.4 ; 2762.6,3473.4 2803.6,3473.4 ; 2762.6,3481.4 2803.6,3481.4 ; 2762.6,3583.4 2959.6,3583.4 ; 2763.6,3395.4 2794.6,3395.4 ; 2763.6,3396.4 2793.6,3396.4 ; 2763.6,3397.4 2793.6,3397.4 ; 2763.6,3406.4 2787.6,3406.4 ; 2763.6,3407.4 2787.6,3407.4 ; 2763.6,3408.4 2786.6,3408.4 ; 2763.6,3471.4 2803.6,3471.4 ; 2763.6,3482.4 2803.6,3482.4 ; 2763.6,3483.4 2803.6,3483.4 ; 2763.6,3584.4 2958.6,3584.4 ; 2764.6,3312.4 3013.6,3312.4 ; 2764.6,3398.4 2792.6,3398.4 ; 2764.6,3399.4 2792.6,3399.4 ; 2764.6,3400.4 2792.6,3400.4 ; 2764.6,3401.4 2791.6,3401.4 ; 2764.6,3402.4 2789.6,3402.4 ; 2764.6,3403.4 2788.6,3403.4 ; 2764.6,3404.4 2788.6,3404.4 ; 2764.6,3405.4 2787.6,3405.4 ; 2764.6,3467.4 2803.6,3467.4 ; 2764.6,3468.4 2803.6,3468.4 ; 2764.6,3469.4 2803.6,3469.4 ; 2764.6,3470.4 2803.6,3470.4 ; 2764.6,3484.4 2803.6,3484.4 ; 2764.6,3585.4 2957.6,3585.4 ; 2764.6,3586.4 2957.6,3586.4 ; 2764.6,3636.4 2773.6,3636.4 ; 2765.6,3485.4 2803.6,3485.4 ; 2765.6,3486.4 2803.6,3486.4 ; 2765.6,3587.4 2956.6,3587.4 ; 2766.6,3465.4 2803.6,3465.4 ; 2766.6,3466.4 2803.6,3466.4 ; 2766.6,3487.4 2803.6,3487.4 ; 2766.6,3488.4 2803.6,3488.4 ; 2766.6,3588.4 2954.6,3588.4 ; 2768.6,3464.4 2803.6,3464.4 ; 2768.6,3489.4 2803.6,3489.4 ; 2768.6,3490.4 2769.6,3490.4 ; 2768.6,3589.4 2953.6,3589.4 ; 2769.6,3462.4 2803.6,3462.4 ; 2769.6,3463.4 2803.6,3463.4 ; 2769.6,3590.4 2952.6,3590.4 ; 2770.6,3311.4 3013.6,3311.4 ; 2770.6,3459.4 2803.6,3459.4 ; 2770.6,3460.4 2803.6,3460.4 ; 2770.6,3461.4 2803.6,3461.4 ; 2770.6,3490.4 2803.6,3490.4 ; 2770.6,3491.4 2803.6,3491.4 ; 2770.6,3492.4 2803.6,3492.4 ; 2770.6,3493.4 2803.6,3493.4 ; 2770.6,3591.4 2951.6,3591.4 ; 2770.6,3592.4 2951.6,3592.4 ; 2770.6,3637.4 2773.6,3637.4 ; 2771.6,3458.4 2803.6,3458.4 ; 2771.6,3494.4 2803.6,3494.4 ; 2771.6,3495.4 2803.6,3495.4 ; 2771.6,3593.4 2950.6,3593.4 ; 2772.6,3455.4 2803.6,3455.4 ; 2772.6,3456.4 2803.6,3456.4 ; 2772.6,3457.4 2803.6,3457.4 ; 2772.6,3496.4 2803.6,3496.4 ; 2772.6,3594.4 2949.6,3594.4 ; 2773.6,3454.4 2803.6,3454.4 ; 2773.6,3497.4 2803.6,3497.4 ; 2773.6,3498.4 2803.6,3498.4 ; 2773.6,3595.4 2947.6,3595.4 ; 2775.6,3452.4 2803.6,3452.4 ; 2775.6,3453.4 2803.6,3453.4 ; 2775.6,3499.4 2803.6,3499.4 ; 2775.6,3500.4 2803.6,3500.4 ; 2775.6,3596.4 2946.6,3596.4 ; 2776.6,3309.4 3013.6,3309.4 ; 2776.6,3310.4 3013.6,3310.4 ; 2776.6,3451.4 2803.6,3451.4 ; 2776.6,3501.4 2803.6,3501.4 ; 2776.6,3502.4 2803.6,3502.4 ; 2776.6,3597.4 2874.6,3597.4 ; 2777.6,3448.4 2803.6,3448.4 ; 2777.6,3449.4 2803.6,3449.4 ; 2777.6,3450.4 2803.6,3450.4 ; 2777.6,3503.4 2803.6,3503.4 ; 2777.6,3598.4 2872.6,3598.4 ; 2777.6,3599.4 2872.6,3599.4 ; 2778.6,3447.4 2803.6,3447.4 ; 2778.6,3504.4 2803.6,3504.4 ; 2778.6,3505.4 2803.6,3505.4 ; 2778.6,3506.4 2803.6,3506.4 ; 2778.6,3600.4 2871.6,3600.4 ; 2779.6,3445.4 2803.6,3445.4 ; 2779.6,3446.4 2803.6,3446.4 ; 2779.6,3507.4 2803.6,3507.4 ; 2779.6,3508.4 2803.6,3508.4 ; 2779.6,3601.4 2870.6,3601.4 ; 2779.6,3602.4 2868.6,3602.4 ; 2779.6,3603.4 2867.6,3603.4 ; 2779.6,3604.4 2867.6,3604.4 ; 2779.6,3605.4 2866.6,3605.4 ; 2779.6,3606.4 2866.6,3606.4 ; 2779.6,3607.4 2866.6,3607.4 ; 2779.6,3608.4 2866.6,3608.4 ; 2779.6,3609.4 2866.6,3609.4 ; 2779.6,3610.4 2866.6,3610.4 ; 2779.6,3611.4 2866.6,3611.4 ; 2779.6,3612.4 2866.6,3612.4 ; 2779.6,3613.4 2866.6,3613.4 ; 2779.6,3614.4 2866.6,3614.4 ; 2779.6,3615.4 2866.6,3615.4 ; 2779.6,3616.4 2866.6,3616.4 ; 2779.6,3617.4 2867.6,3617.4 ; 2779.6,3618.4 2867.6,3618.4 ; 2779.6,3619.4 2868.6,3619.4 ; 2779.6,3620.4 2870.6,3620.4 ; 2779.6,3621.4 2872.6,3621.4 ; 2779.6,3622.4 2872.6,3622.4 ; 2779.6,3623.4 2874.6,3623.4 ; 2779.6,3624.4 3013.6,3624.4 ; 2779.6,3625.4 3013.6,3625.4 ; 2779.6,3626.4 3013.6,3626.4 ; 2779.6,3627.4 3013.6,3627.4 ; 2779.6,3628.4 3013.6,3628.4 ; 2779.6,3629.4 3013.6,3629.4 ; 2779.6,3631.4 3013.6,3631.4 ; 2779.6,3632.4 3013.6,3632.4 ; 2779.6,3634.4 3013.6,3634.4 ; 2779.6,3635.4 3013.6,3635.4 ; 2779.6,3636.4 3013.6,3636.4 ; 2781.6,3444.4 2803.6,3444.4 ; 2781.6,3509.4 2803.6,3509.4 ; 2781.6,3630.4 3013.6,3630.4 ; 2781.6,3633.4 3013.6,3633.4 ; 2781.6,3637.4 3013.6,3637.4 ; 2781.6,3638.4 3013.6,3638.4 ; 2781.6,3639.4 3013.6,3639.4 ; 2782.6,3441.4 2803.6,3441.4 ; 2782.6,3442.4 2803.6,3442.4 ; 2782.6,3443.4 2803.6,3443.4 ; 2782.6,3510.4 2803.6,3510.4 ; 2782.6,3511.4 2803.6,3511.4 ; 2783.6,3440.4 2803.6,3440.4 ; 2783.6,3512.4 2803.6,3512.4 ; 2783.6,3513.4 2803.6,3513.4 ; 2784.6,3438.4 2803.6,3438.4 ; 2784.6,3439.4 2803.6,3439.4 ; 2784.6,3514.4 2803.6,3514.4 ; 2784.6,3515.4 2803.6,3515.4 ; 2785.6,3437.4 2803.6,3437.4 ; 2785.6,3516.4 2803.6,3516.4 ; 2786.6,3435.4 2804.6,3435.4 ; 2786.6,3436.4 2803.6,3436.4 ; 2786.6,3517.4 2803.6,3517.4 ; 2788.6,3434.4 2804.6,3434.4 ; 2788.6,3518.4 2802.6,3518.4 ; 2788.6,3519.4 2802.6,3519.4 ; 2789.6,3432.4 2804.6,3432.4 ; 2789.6,3433.4 2804.6,3433.4 ; 2789.6,3520.4 2802.6,3520.4 ; 2789.6,3521.4 2802.6,3521.4 ; 2789.6,3522.4 2802.6,3522.4 ; 2790.6,3430.4 2804.6,3430.4 ; 2790.6,3431.4 2804.6,3431.4 ; 2790.6,3523.4 2802.6,3523.4 ; 2791.6,3428.4 2803.6,3428.4 ; 2791.6,3429.4 2803.6,3429.4 ; 2791.6,3524.4 2803.6,3524.4 ; 2791.6,3525.4 2803.6,3525.4 ; 2791.6,3526.4 2803.6,3526.4 ; 2792.6,3426.4 2803.6,3426.4 ; 2792.6,3427.4 2803.6,3427.4 ; 2792.6,3527.4 2803.6,3527.4 ; 2792.6,3528.4 2803.6,3528.4 ; 2794.6,3424.4 2803.6,3424.4 ; 2794.6,3425.4 2803.6,3425.4 ; 2795.6,3422.4 2803.6,3422.4 ; 2795.6,3423.4 2803.6,3423.4 ; 2795.6,3529.4 2802.6,3529.4 ; 2795.6,3530.4 2802.6,3530.4 ; 2796.6,3421.4 2803.6,3421.4 ; 2796.6,3531.4 2802.6,3531.4 ; 2797.6,3419.4 2803.6,3419.4 ; 2797.6,3420.4 2803.6,3420.4 ; 2797.6,3532.4 2803.6,3532.4 ; 2797.6,3533.4 2803.6,3533.4 ; 2797.6,3534.4 2803.6,3534.4 ; 2798.6,3418.4 2803.6,3418.4 ; 2798.6,3535.4 2803.6,3535.4 ; 2799.6,3415.4 2803.6,3415.4 ; 2799.6,3416.4 2803.6,3416.4 ; 2799.6,3417.4 2803.6,3417.4 ; 2799.6,3536.4 2803.6,3536.4 ; 2799.6,3537.4 2802.6,3537.4 ; 2801.6,3413.4 2803.6,3413.4 ; 2801.6,3414.4 2803.6,3414.4 ; 2801.6,3538.4 2802.6,3538.4 ; 2801.6,3539.4 2803.6,3539.4 ; 2801.6,3540.4 2803.6,3540.4 ; 2802.6,3412.4 2803.6,3412.4 ; 2802.6,3541.4 2803.6,3541.4 ; 2830.6,3326.4 2834.6,3326.4 ; 2830.6,3327.4 2835.6,3327.4 ; 2830.6,3328.4 2835.6,3328.4 ; 2830.6,3329.4 2835.6,3329.4 ; 2830.6,3330.4 2835.6,3330.4 ; 2836.6,3341.4 3013.6,3341.4 ; 2837.6,3316.4 3013.6,3316.4 ; 2838.6,3340.4 3013.6,3340.4 ; 2840.6,3317.4 3013.6,3317.4 ; 2841.6,3339.4 3013.6,3339.4 ; 2842.6,3318.4 3013.6,3318.4 ; 2842.6,3319.4 3013.6,3319.4 ; 2842.6,3338.4 3013.6,3338.4 ; 2843.6,3320.4 3013.6,3320.4 ; 2843.6,3321.4 3013.6,3321.4 ; 2843.6,3336.4 3013.6,3336.4 ; 2843.6,3337.4 3013.6,3337.4 ; 2844.6,3322.4 3013.6,3322.4 ; 2844.6,3323.4 3013.6,3323.4 ; 2844.6,3334.4 3013.6,3334.4 ; 2844.6,3335.4 3013.6,3335.4 ; 2845.6,3324.4 3013.6,3324.4 ; 2845.6,3333.4 3013.6,3333.4 ; 2876.6,3610.4 2881.6,3610.4 ; 2876.6,3611.4 2881.6,3611.4 ; 2876.6,3612.4 2881.6,3612.4 ; 2877.6,3609.4 2881.6,3609.4 ; 2877.6,3613.4 2880.6,3613.4 ; 2883.6,3597.4 2945.6,3597.4 ; 2884.6,3623.4 3013.6,3623.4 ; 2886.6,3598.4 2944.6,3598.4 ; 2886.6,3599.4 2944.6,3599.4 ; 2887.6,3621.4 3013.6,3621.4 ; 2887.6,3622.4 3013.6,3622.4 ; 2888.6,3600.4 2943.6,3600.4 ; 2888.6,3620.4 3013.6,3620.4 ; 2889.6,3601.4 2941.6,3601.4 ; 2889.6,3619.4 3013.6,3619.4 ; 2890.6,3602.4 2940.6,3602.4 ; 2890.6,3603.4 2939.6,3603.4 ; 2890.6,3617.4 3013.6,3617.4 ; 2890.6,3618.4 3013.6,3618.4 ; 2891.6,3604.4 2938.6,3604.4 ; 2891.6,3605.4 2938.6,3605.4 ; 2891.6,3606.4 2938.6,3606.4 ; 2891.6,3614.4 3013.6,3614.4 ; 2891.6,3615.4 3013.6,3615.4 ; 2891.6,3616.4 3013.6,3616.4 ; 2893.6,3607.4 2937.6,3607.4 ; 2916.6,3371.4 2921.6,3371.4 ; 2916.6,3372.4 2923.6,3372.4 ; 2916.6,3373.4 2923.6,3373.4 ; 2916.6,3374.4 2923.6,3374.4 ; 2916.6,3375.4 2921.6,3375.4 ; 2917.6,3376.4 2920.6,3376.4 ; 2921.6,3386.4 3013.6,3386.4 ; 2924.6,3361.4 3013.6,3361.4 ; 2924.6,3385.4 3013.6,3385.4 ; 2926.6,3362.4 3013.6,3362.4 ; 2927.6,3384.4 3013.6,3384.4 ; 2928.6,3363.4 3013.6,3363.4 ; 2928.6,3382.4 3013.6,3382.4 ; 2928.6,3383.4 3013.6,3383.4 ; 2929.6,3364.4 3013.6,3364.4 ; 2929.6,3381.4 3013.6,3381.4 ; 2930.6,3365.4 3013.6,3365.4 ; 2930.6,3366.4 3013.6,3366.4 ; 2930.6,3367.4 3013.6,3367.4 ; 2930.6,3379.4 3013.6,3379.4 ; 2930.6,3380.4 3013.6,3380.4 ; 2932.6,3368.4 3013.6,3368.4 ; 2932.6,3369.4 3013.6,3369.4 ; 2932.6,3377.4 3012.6,3377.4 ; 2932.6,3378.4 3013.6,3378.4 ; 2932.6,3392.4 3013.6,3392.4 ; 2932.6,3393.4 3013.6,3393.4 ; 2932.6,3394.4 3013.6,3394.4 ; 2932.6,3395.4 3013.6,3395.4 ; 2932.6,3396.4 3013.6,3396.4 ; 2932.6,3397.4 3013.6,3397.4 ; 2932.6,3398.4 3013.6,3398.4 ; 2932.6,3399.4 3013.6,3399.4 ; 2932.6,3400.4 3013.6,3400.4 ; 2932.6,3401.4 3013.6,3401.4 ; 2932.6,3402.4 3013.6,3402.4 ; 2932.6,3421.4 2945.6,3421.4 ; 2932.6,3422.4 2946.6,3422.4 ; 2932.6,3423.4 2946.6,3423.4 ; 2932.6,3424.4 2947.6,3424.4 ; 2932.6,3425.4 2949.6,3425.4 ; 2932.6,3426.4 2949.6,3426.4 ; 2932.6,3427.4 2951.6,3427.4 ; 2932.6,3428.4 2951.6,3428.4 ; 2932.6,3429.4 2951.6,3429.4 ; 2932.6,3430.4 2953.6,3430.4 ; 2932.6,3431.4 2954.6,3431.4 ; 2932.6,3432.4 2954.6,3432.4 ; 2932.6,3433.4 2956.6,3433.4 ; 2932.6,3434.4 2957.6,3434.4 ; 2932.6,3435.4 2958.6,3435.4